# KiCad board CM4ClusterHat.kicad_pcb
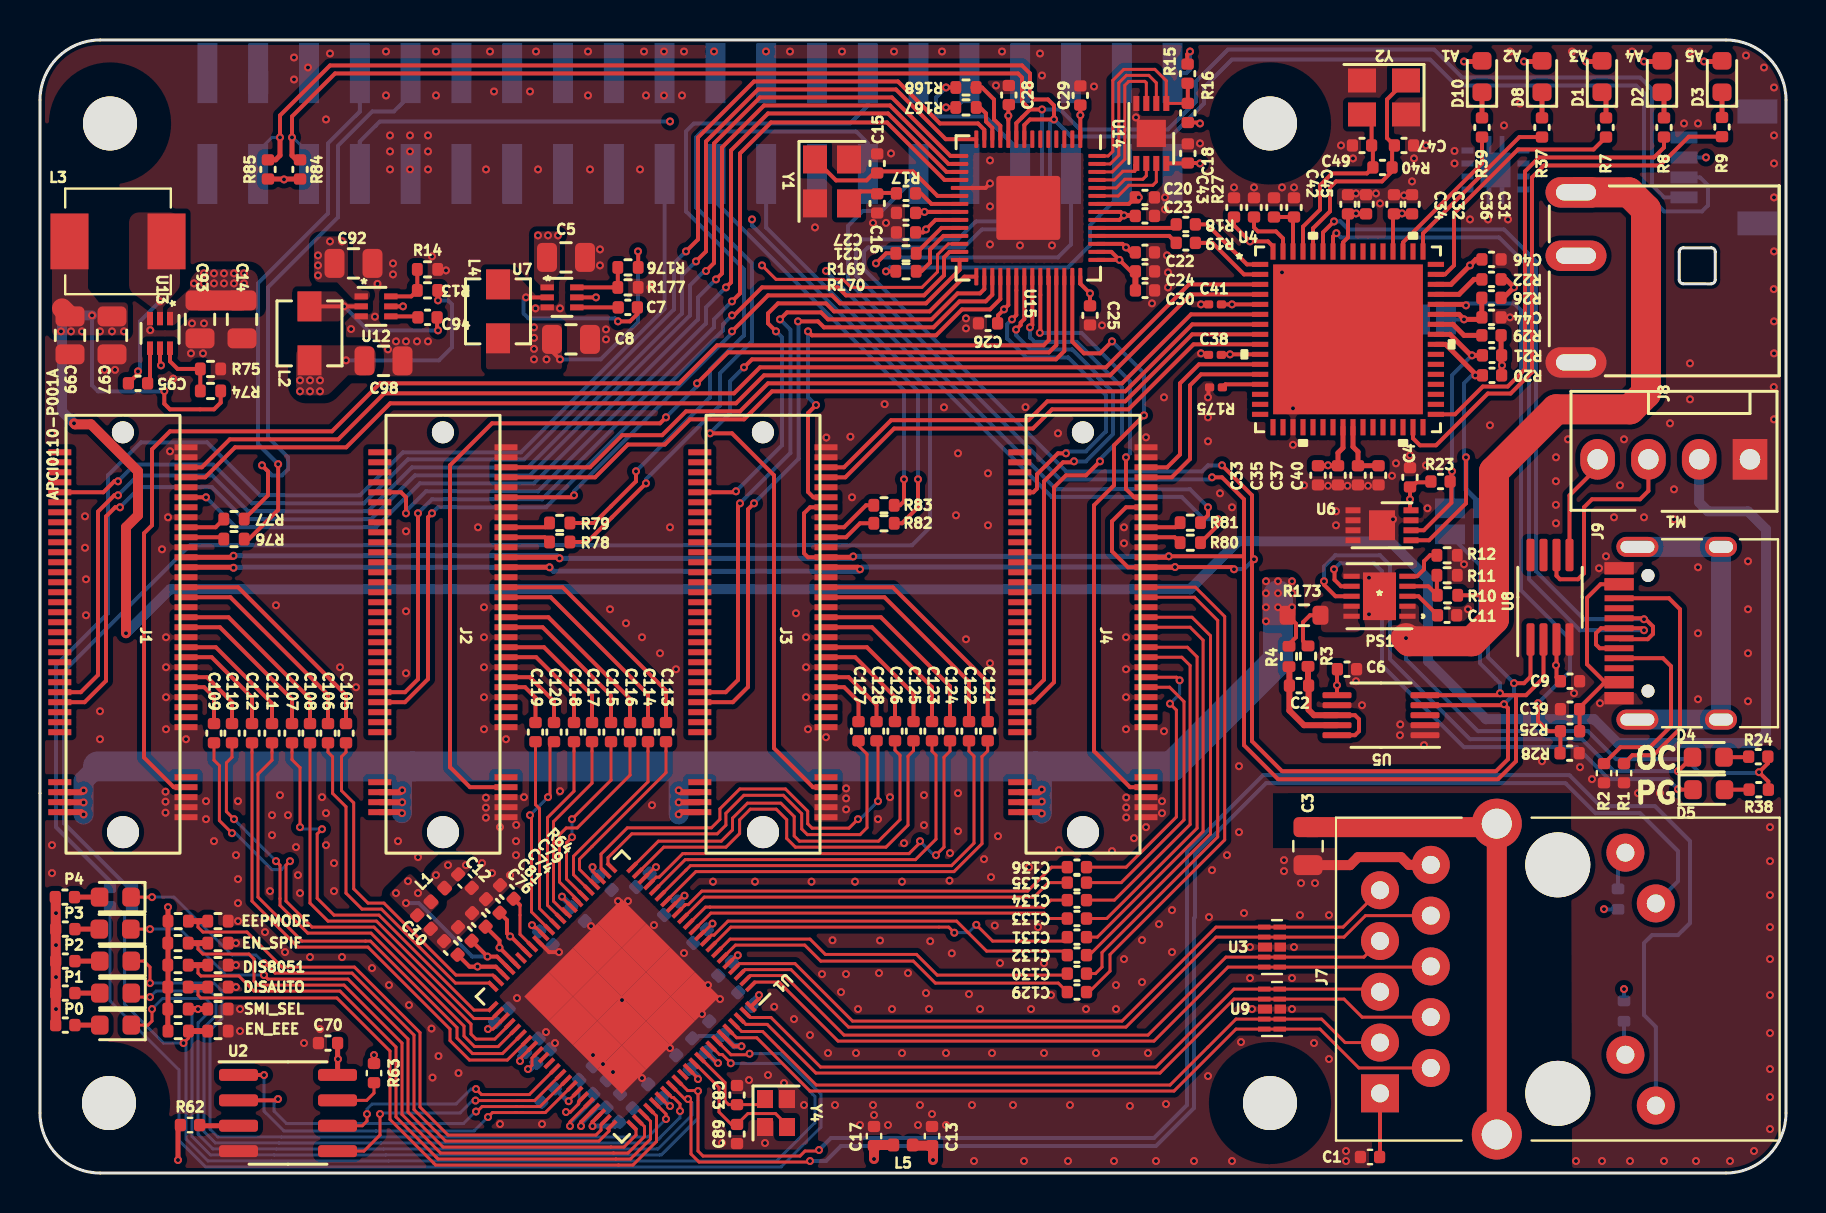
[diagram p0: board, top side]
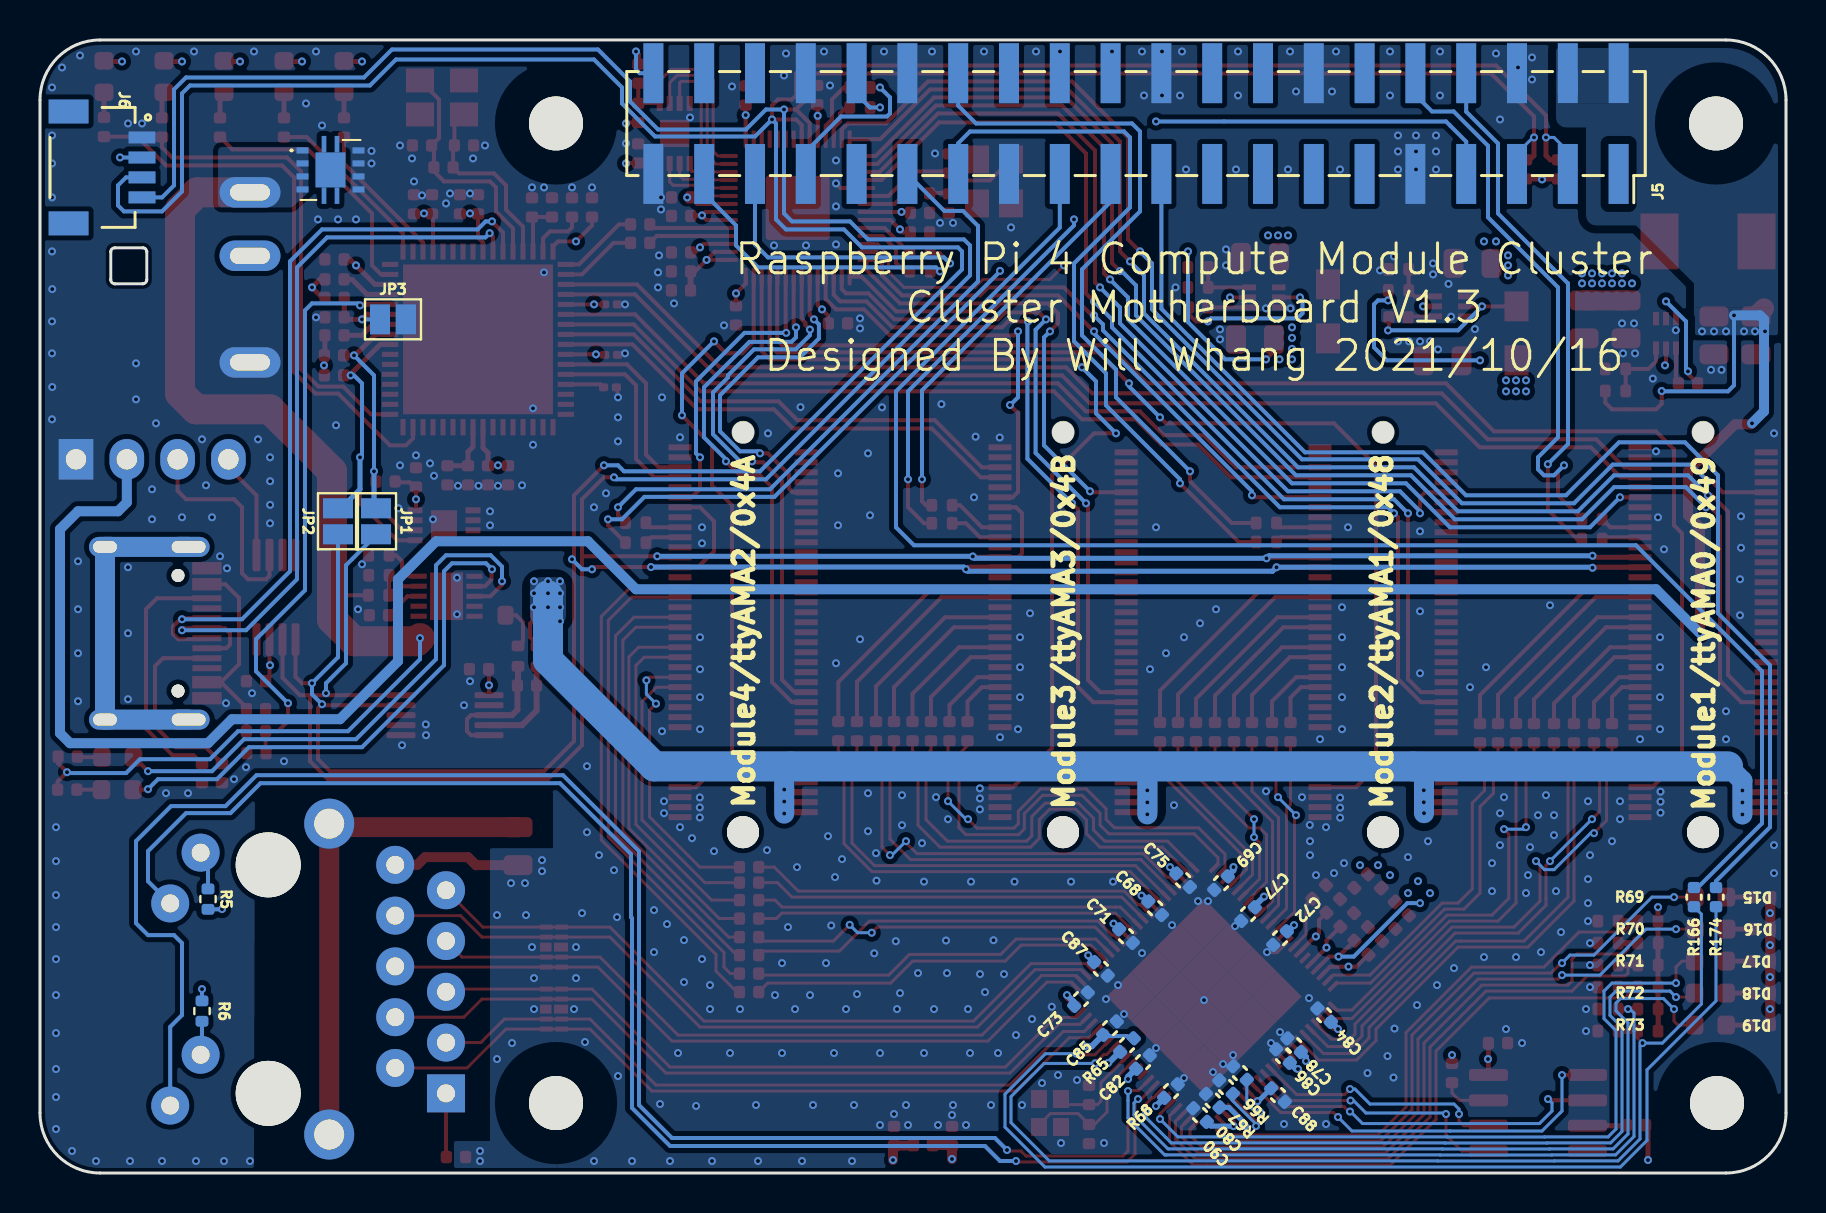
[diagram p1: board, bottom side, seen from below]

Outline 87.3 x 56.67 mm; copper layers: Top, In1.Cu, In2.Cu, Bottom. Coordinates in mm from the lower left corner of the outline.
Outline path: 0,53.67 0,3 arc(0.88,0.88) 3,0 84.3,0 arc(86.42,0.88) 87.3,3 87.3,53.67 arc(86.42,55.8) 84.3,56.67 3,56.67 arc(0.88,55.8) 0,53.67
Stack: Top 0.035mm / dielectric 0.48mm FR4 er 4.5 / In1.Cu 0.035mm / dielectric 0.48mm FR4 er 4.5 / In2.Cu 0.035mm / dielectric 0.48mm FR4 er 4.5 / Bottom 0.035mm

## Placement (name value [footprint] x y rotation side)
C1  100nF  [C_0402_1005Metric]  66.5 0.8 0 top
C2  100nF  [C_0402_1005Metric]  62.95 24.38 0 top
C3  1nF  [C_0805_2012Metric]  63.4 16.35 90 top
C4  100nF  [C_0402_1005Metric]  68.5 34.8 270 top
C5  10uF  [C_0805_2012Metric]  26.3 45.8 0 top
C6  100nF  [C_0402_1005Metric]  65.35 25.2 0 top
C7  100nF  [C_0402_1005Metric]  29.39 43.3 0 top
C8  22uF  [C_0805_2012Metric]  26.55 41.7 0 top
C9  100nF  [C_0402_1005Metric]  76.5 24.6 180 top
C10  100nF  [C_0402_1005Metric]  19.2 12.55 135 top
C11  100nF  [C_0402_1005Metric]  70.35 27.9 0 top
C12  100nF  [C_0402_1005Metric]  21.25 14.6 135 top
C13  100nF  [C_0402_1005Metric]  44.6 1.85 270 top
C14  10uF  [C_0805_2012Metric]  10.1 42.7 270 top
C15  27p  [C_0402_1005Metric]  41.86 50.5 90 top
C16  27p  [C_0402_1005Metric]  41.86 48.5 270 top
C17  100nF  [C_0402_1005Metric]  41.7 1.85 270 top
C18  100n  [C_0402_1005Metric]  57.39 51 90 top
C20  100n  [C_0402_1005Metric]  55.25 48.8 0 top
C21  100n  [C_0402_1005Metric]  43.3 47.05 180 top
C22  1u  [C_0402_1005Metric]  55.25 46.05 0 top
C23  100n  [C_0402_1005Metric]  55.25 47.88 0 top
C24  1u  [C_0402_1005Metric]  55.25 45.1 0 top
C25  100n  [C_0402_1005Metric]  52.5 42.9 270 top
C26  100n  [C_0402_1005Metric]  47.4 42.5 180 top
C27  100n  [C_0402_1005Metric]  43.3 48.02 180 top
C28  100n  [C_0402_1005Metric]  48.44 53.92 90 top
C29  100n  [C_0402_1005Metric]  52.02 53.9 90 top
C30  100n  [C_0402_1005Metric]  55.25 44.15 0 top
C31  100nF  [C_0402_1005Metric]  68.6 48.46 270 top
C32  100nF  [C_0402_1005Metric]  66.3 48.46 270 top
C33  1uF  [C_0402_1005Metric]  63.9 34.9 90 top
C34  100nF  [C_0402_1005Metric]  65.4 48.46 270 top
C35  100nF  [C_0402_1005Metric]  64.9 34.9 90 top
C36  100nF  [C_0402_1005Metric]  67.7 48.46 270 top
C37  1uF  [C_0402_1005Metric]  65.9 34.9 90 top
C38  100nF  [C_0201_0603Metric]  58.74 40.92 0 top
C39  1uF  [C_0402_1005Metric]  76.5 23.2 0 top
C40  100nF  [C_0402_1005Metric]  66.92 34.9 90 top
C41  100nF  [C_0201_0603Metric]  58.75 43.45 0 top
C42  1uF  [C_0402_1005Metric]  61.7 48.3 270 top
C43  100nF  [C_0402_1005Metric]  59.7 48.3 270 top
C44  100nF  [C_0402_1005Metric]  72.58 42.8 180 top
C45  100nF  [C_0402_1005Metric]  62.7 48.3 270 top
C46  100nF  [C_0402_1005Metric]  72.58 45.7 180 top
C47  33pF  [C_0402_1005Metric]  68.2 51.4 180 top
C49  33pF  [C_0402_1005Metric]  66.1 51.4 0 top
C68  100nF  [C_0402_1005Metric]  31.54 13.24 45 bottom
C69  100nF  [C_0402_1005Metric]  28.25 14.5 135 bottom
C70  100nF  [C_0402_1005Metric]  14.4 6.5 0 top
C71  100nF  [C_0402_1005Metric]  33 11.85 45 bottom
C72  100nF  [C_0402_1005Metric]  25.3 11.75 135 bottom
C73  100nF  [C_0402_1005Metric]  35.25 8.7 315 bottom
C74  100nF  [C_0402_1005Metric]  21.94 12.66 315 top
C75  100nF  [C_0402_1005Metric]  30.14 14.64 45 bottom
C76  100nF  [C_0402_1005Metric]  20.54 11.26 315 top
C77  100nF  [C_0402_1005Metric]  26.9 12.95 135 bottom
C78  100nF  [C_0402_1005Metric]  24.59 6.39 225 bottom
C79  100nF  [C_0402_1005Metric]  22.64 13.36 315 top
C80  100nF  [C_0402_1005Metric]  28.66 3.62 225 bottom
C81  100nF  [C_0402_1005Metric]  21.24 11.96 315 top
C82  100nF  [C_0402_1005Metric]  32.15 5.55 315 bottom
C83  16pF  [C_0402_1005Metric]  34.85 3.9 270 top
C84  100nF  [C_0402_1005Metric]  23.09 7.89 225 bottom
C85  100nF  [C_0402_1005Metric]  33.8 7.25 315 bottom
C86  100nF  [C_0402_1005Metric]  25.15 5.85 225 bottom
C87  100nF  [C_0402_1005Metric]  34.25 10.21 45 bottom
C88  100nF  [C_0402_1005Metric]  25.4 3.9 45 bottom
C89  16pF  [C_0402_1005Metric]  34.85 1.95 90 top
C90  100nF  [C_0402_1005Metric]  29.3 2.9 225 bottom
C92  10uF  [C_0805_2012Metric]  15.67 45.5 0 top
C93  10uF  [C_0805_2012Metric]  8 42.7 270 top
C94  100nF  [C_0402_1005Metric]  19.37 42.8 0 top
C95  100nF  [C_0402_1005Metric]  4.9 39.5 180 top
C97  22uF  [C_0805_2012Metric]  3.6 41.9 270 top
C98  22uF  [C_0805_2012Metric]  17.17 40.62 0 top
C99  22uF  [C_0805_2012Metric]  1.5 41.9 270 top
C105  100nF  [C_0402_1005Metric]  15.3 22 270 top
C106  100nF  [C_0402_1005Metric]  14.4 22 270 top
C107  100nF  [C_0402_1005Metric]  12.6 22 270 top
C108  100nF  [C_0402_1005Metric]  13.5 22 270 top
C109  100nF  [C_0402_1005Metric]  8.7 22 270 top
C110  100nF  [C_0402_1005Metric]  9.6 22 270 top
C111  100nF  [C_0402_1005Metric]  11.6 22 270 top
C112  100nF  [C_0402_1005Metric]  10.6 22 270 top
C113  100nF  [C_0402_1005Metric]  31.3 22.05 270 top
C114  100nF  [C_0402_1005Metric]  30.4 22.05 270 top
C115  100nF  [C_0402_1005Metric]  28.55 22.05 270 top
C116  100nF  [C_0402_1005Metric]  29.5 22.05 270 top
C117  100nF  [C_0402_1005Metric]  27.6 22.05 270 top
C118  100nF  [C_0402_1005Metric]  26.7 22.05 270 top
C119  100nF  [C_0402_1005Metric]  24.77 22.05 270 top
C120  100nF  [C_0402_1005Metric]  25.7 22.05 270 top
C121  100nF  [C_0402_1005Metric]  47.38 22.1 270 top
C122  100nF  [C_0402_1005Metric]  46.45 22.1 270 top
C123  100nF  [C_0402_1005Metric]  44.6 22.1 270 top
C124  100nF  [C_0402_1005Metric]  45.5 22.1 270 top
C125  100nF  [C_0402_1005Metric]  43.67 22.1 270 top
C126  100nF  [C_0402_1005Metric]  42.75 22.1 270 top
C127  100nF  [C_0402_1005Metric]  40.92 22.1 270 top
C128  100nF  [C_0402_1005Metric]  41.83 22.1 270 top
C129  100nF  [C_0402_1005Metric]  51.85 9.05 180 top
C130  100nF  [C_0402_1005Metric]  51.85 9.97 180 top
C131  100nF  [C_0402_1005Metric]  51.85 11.8 180 top
C132  100nF  [C_0402_1005Metric]  51.85 10.9 180 top
C133  100nF  [C_0402_1005Metric]  51.84 12.73 180 top
C134  100nF  [C_0402_1005Metric]  51.84 13.65 180 top
C135  100nF  [C_0402_1005Metric]  51.85 14.52 180 top
C136  100nF  [C_0402_1005Metric]  51.85 15.3 180 top
D1  LED  [LED_0603_1608Metric]  78.1 54.84 90 top
D2  LED  [LED_0603_1608Metric]  81.1 54.84 90 top
D3  LED  [LED_0603_1608Metric]  84.1 54.84 90 top
D4  LED  [LED_0603_1608Metric]  83.41 20.8 0 top
D5  LED  [LED_0603_1608Metric]  83.44 19.17 0 top
D8  LED  [LED_0603_1608Metric]  75.1 54.84 90 top
D10  LED  [LED_0603_1608Metric]  72.1 54.84 90 top
D15  LED  [LED_0603_1608Metric]  3.77 13.8 180 top
D16  LED  [LED_0603_1608Metric]  3.75 12.2 180 top
D17  LED  [LED_0603_1608Metric]  3.78 10.6 180 top
D18  LED  [LED_0603_1608Metric]  3.78 9 180 top
D19  LED  [LED_0603_1608Metric]  3.78 7.4 180 top
H1  MountingHole  [M2.5]  3.5 3.5 0 top
H2  MountingHole  [M2.5]  3.55 52.5 0 top
H3  MountingHole  [M2.5]  61.55 3.5 0 top
H4  MountingHole  [M2.5]  61.55 52.5 0 top
IC1  TVS1801DRBR  [TPS73601DRBR]  72.77 50.17 180 bottom
J1  Bus_M.2_Socket_M  [M2_vertical]  -0.2 33.3 270 top
J2  Bus_M.2_Socket_M  [M2_vertical]  15.8 33.3 270 top
J3  Bus_M.2_Socket_M  [M2_vertical]  31.8 33.3 270 top
J4  Bus_M.2_Socket_M  [M2_vertical]  47.8 33.3 270 top
J5  Raspberry_Pi_2_3  [PinSocket_2x20_P2.54mm_Vertical_SMD]  32.5 52.49 270 bottom
J6  QWIIC_CONNECTORJS-1MM  [1X04_1MM_RA]  82.2 50.3 270 bottom
J7  RB1-125B8G1A  [RJ45_UDE_RB1-125B8G1A]  67 3.98 90 top
J8  CONN-POWER-JACK-2.1MM_DC-005_  [DCJ3P-11.6X9.6X7.0MM]  81.15 44.8 90 top
J9  USB_C_Receptacle_USB2.0  [USB_C_Receptacle_HRO_TYPE-C-31-M-12]  83 27 90 top
JP1  SolderJumper_2_Open  [SolderJumper-2_P1.3mm_Open_Pad1.0x1.5mm]  70.5 32.6 270 bottom
JP2  SolderJumper_2_Open  [SolderJumper-2_P1.3mm_Open_Pad1.0x1.5mm]  72.4 32.6 270 bottom
JP3  SolderJumper_2_Open  [SolderJumper-2_P1.3mm_Open_Pad1.0x1.5mm]  69.65 42.7 180 bottom
L1  L  [L_0402_1005Metric]  19.89 13.91 45 top
L2  1.2uH  [L_Vishay_IHLP-1212]  13.47 42 270 top
L3  4.7uH  [L_Vishay_IHLP-2020]  3.9 46.6 180 top
L4  3.3uH  [L_Vishay_IHLP-1212]  22.9 43.1 270 top
L5  L  [L_0402_1005Metric]  43.15 1.4 180 top
M1  Fan_Tacho_PWM  [FanPinHeader_1x04_P2.54mm_Vertical]  85.5 35.7 180 top
PS1  -  [SIP32429DN-T1-GE4]  66.97 28.85 180 top
R1  100K  [C_0402_1005Metric]  79.2 20 90 top
R2  100K  [C_0402_1005Metric]  78.2 20 90 top
R3  10R  [R_0402_1005Metric]  63.4 25.86 90 top
R4  10R  [R_0402_1005Metric]  62.45 25.84 90 top
R5  4.7K  [R_0402_1005Metric]  78.9 13.7 270 bottom
R6  4.7K  [R_0402_1005Metric]  79.2 8.1 90 bottom
R7  1K  [C_0402_1005Metric]  78.3 52.3 90 top
R8  1K  [C_0402_1005Metric]  81.2 52.3 90 top
R9  1K  [C_0402_1005Metric]  84.1 52.32 90 top
R10  30K  [R_0402_1005Metric]  70.37 28.9 180 top
R11  10K  [R_0402_1005Metric]  70.35 29.9 0 top
R12  1.82K  [R_0402_1005Metric]  70.35 30.9 0 top
R13  30K  [R_0402_1005Metric]  19.37 44.15 180 top
R14  82K  [R_0402_1005Metric]  19.37 45.2 0 top
R15  1k  [C_0402_1005Metric]  57.38 54.99 90 top
R16  DNF  [C_0402_1005Metric]  57.39 53.02 90 top
R17  1k  [C_0402_1005Metric]  43.3 49.01 180 top
R18  27  [C_0402_1005Metric]  57.29 47.45 180 top
R19  27  [C_0402_1005Metric]  57.29 46.52 180 top
R20  10K  [C_0402_1005Metric]  72.6 39.9 180 top
R21  10K  [C_0402_1005Metric]  72.6 40.9 180 top
R22  10K  [C_0402_1005Metric]  72.58 44.7 180 top
R23  10K  [C_0402_1005Metric]  70.02 34.59 0 top
R24  4.7K  [C_0402_1005Metric]  85.91 20.83 0 top
R25  100K  [C_0402_1005Metric]  76.5 22.1 180 top
R26  100K  [C_0402_1005Metric]  72.57 43.77 180 top
R27  12K  [C_0402_1005Metric]  60.7 48.3 90 top
R28  100K  [C_0402_1005Metric]  76.48 21 180 top
R29  10K  [C_0402_1005Metric]  72.58 41.9 180 top
R37  1K  [C_0402_1005Metric]  75.1 52.3 90 top
R38  4.7K  [C_0402_1005Metric]  85.94 19.17 0 top
R39  1K  [C_0402_1005Metric]  72.1 52.3 90 top
R40  1M  [C_0402_1005Metric]  67.12 50.3 180 top
R50  4.7K  [R_0402_1005Metric]  6.91 12.6 0 top
R51  DNP  [R_0402_1005Metric]  8.9 12.6 0 top
R52  DNP  [R_0402_1005Metric]  6.9 11.5 0 top
R53  4.7K  [R_0402_1005Metric]  8.9 11.5 0 top
R54  4.7K  [R_0402_1005Metric]  6.9 10.4 0 top
R55  DNP  [R_0402_1005Metric]  8.9 10.4 0 top
R56  4.7K  [R_0402_1005Metric]  6.9 9.3 0 top
R57  DNP  [R_0402_1005Metric]  8.9 9.3 0 top
R58  DNP  [R_0402_1005Metric]  6.9 8.2 0 top
R59  4.7K  [R_0402_1005Metric]  8.9 8.2 0 top
R60  4.7K  [R_0402_1005Metric]  6.91 7.1 0 top
R61  DNP  [R_0402_1005Metric]  8.9 7.1 0 top
R62  10K  [C_0402_1005Metric]  7.5 2.4 180 top
R63  10K  [C_0402_1005Metric]  16.7 5 90 top
R64  2.49K  [C_0402_1005Metric]  23.34 14.06 315 top
R65  10K  [C_0402_1005Metric]  32.95 6.4 315 bottom
R66  1K  [C_0402_1005Metric]  27.3 5 225 bottom
R67  1K  [C_0402_1005Metric]  28 4.3 225 bottom
R68  DNP  [C_0402_1005Metric]  30.75 4.1 315 bottom
R69  4.7K  [C_0402_1005Metric]  1.24 13.8 0 top
R70  4.7K  [C_0402_1005Metric]  1.27 12.2 0 top
R71  4.7K  [C_0402_1005Metric]  1.27 10.6 0 top
R72  4.7K  [C_0402_1005Metric]  1.27 9 0 top
R73  4.7K  [C_0402_1005Metric]  1.27 7.4 0 top
R74  52K  [R_0402_1005Metric]  8.52 39.12 180 top
R75  10K  [R_0402_1005Metric]  8.52 40.22 0 top
R76  100R  [R_0402_1005Metric]  9.7 31.71 180 top
R77  100R  [R_0402_1005Metric]  9.7 32.71 180 top
R78  100R  [R_0402_1005Metric]  25.98 31.56 0 top
R79  100R  [R_0402_1005Metric]  25.98 32.52 0 top
R80  100R  [R_0402_1005Metric]  57.52 31.53 0 top
R81  100R  [R_0402_1005Metric]  57.52 32.53 0 top
R82  100R  [R_0402_1005Metric]  42.2 32.5 0 top
R83  100R  [R_0402_1005Metric]  42.2 33.4 0 top
R84  1k  [C_0402_1005Metric]  13 50.2 90 top
R85  1k  [C_0402_1005Metric]  11.4 50.2 90 top
R166  100R  [C_0402_1005Metric]  4.6 13.8 270 bottom
R167  100R  [R_0402_1005Metric]  46.3 53.3 180 top
R168  100R  [R_0402_1005Metric]  46.3 54.3 180 top
R169  100R  [R_0402_1005Metric]  43.3 46.01 0 top
R170  100R  [R_0402_1005Metric]  43.3 45.11 0 top
R173  0R1  [R_0603_1608Metric]  63.2 27.9 0 top
R174  100R  [C_0402_1005Metric]  3.5 13.8 270 bottom
R175  100K  [C_0201_0603Metric]  58.8 39.3 180 top
R176  30K  [R_0402_1005Metric]  29.4 45.3 180 top
R177  82K  [R_0402_1005Metric]  29.4 44.3 0 top
U1  RTL8367N  [QFN-88_EP_10x10_Pitch0.4mm2]  29.09 8.83 225 top
U2  AT25SF081-SSHD-X  [SOIC-8_3.9x4.9mm_P1.27mm]  12.4 3 0 top
U3  D3V3F4U10LP-7  [Diodes_UDFN-10_1.0x2.5mm_P0.5mm]  61.6 11.3 0 top
U4  -  [USB2517-JZX]  65.4 41.7 0 top
U5  INA226  [VSSOP-10_3x3mm_P0.5mm]  67.05 22.9 180 top
U6  24LC08  [DFN-8-1EP_3x2mm_P0.5mm_EP1.3x1.5mm]  67.1 32.4 0 top
U7  -  [XTPS563202DRLR]  26.1 43.8 0 top
U8  EMC2301  [MSOP-8_3x3mm_P0.65mm]  75.5 28.8 90 top
U9  D3V3F4U10LP-7  [Diodes_UDFN-10_1.0x2.5mm_P0.5mm]  61.6 8.2 0 top
U12  -  [XTPS563202DRLR]  16.8 43.35 0 top
U13  -  [XTPS563202DRLR]  6 42 270 top
U14  W25Q128JVS  [DFN-8-1EP_3x2mm_P0.5mm_EP1.36x1.46mm]  55.57 52 270 top
U15  RP2040  [RP2040-QFN-56]  49.42 48.27 270 top
Y1  Crystal_GND24  [Crystal_SMD_3225-4Pin_3.2x2.5mm]  39.6 49.6 270 top
Y2  24Mhz  [Crystal_SMD_3225-4Pin_3.2x2.5mm]  67.2 53.8 180 top
Y4  25Mhz  [Crystal_SMD_2016-4Pin_2.0x1.6mm]  36.8 3 270 top

## Library data of the parts
IC1 = -: Description: 18-V bidirectional flat-clamp surge protection device; Height: 1; Manufacturer_Name: Texas Instruments; Mouser Part Number: 595-TVS1801DRBR; Mouser Price/Stock: https://www.mouser.co.uk/ProductDetail/Texas-Instruments/TVS1801DRBR?qs=byeeYqUIh0NC2uVJotIEjA%3D%3D
J6 = -: Field4: CONN-13694
J8 = -: MPN: DC-005; SKU: 320120003
PS1 = -: Description: Power Switch ICs - Power Distribution 56mOhm 28volt Smart Load Switch; Height: 1; Manufacturer_Name: Vishay; Mouser Part Number: 78-SIP32429DN-T1-GE4; Mouser Price/Stock: https://www.mouser.co.uk/ProductDetail/Vishay-Siliconix/SIP32429DN-T1-GE4?qs=iMG30BJ9VGh0tbPxfN0iAA%3D%3D
U7 U12 U13 = -: Field4: Designator95

## Footprints (pads in the part's own frame, mm; a bottom-side part is the same pattern mirrored in y, then rotated)
1X04_1MM_RA
  rect 0.599x1.349 smd: 1(-1.499,0) 2(-0.498,0) 3(0.498,0) 4(1.499,0)
  rect 1.199x1.999 smd: NC1(2.799,-3.673) NC2(-2.799,-3.673)
C_0201_0603Metric
  rrect 0.318x0.36 smd: (-0.345,0) (0.345,0)
  rrect 0.46x0.4 smd: 1(-0.32,0) 2(0.32,0)
C_0402_1005Metric
  rrect 0.56x0.62 smd: 1(-0.48,0) 2(0.48,0)
C_0805_2012Metric
  rrect 1x1.45 smd: 1(-0.95,0) 2(0.95,0)
Crystal_SMD_2016-4Pin_2.0x1.6mm
  rect 0.9x0.8 smd: 1(-0.7,-0.55) 2(0.7,-0.55) 3(0.7,0.55) 4(-0.7,0.55)
Crystal_SMD_3225-4Pin_3.2x2.5mm
  rect 1.4x1.2 smd: 1(-1.1,-0.85) 2(1.1,-0.85) 3(1.1,0.85) 4(-1.1,0.85)
DCJ3P-11.6X9.6X7.0MM
  oval 1.524x3.048 hole 0.813x2: 1(4.253,4.35) 2(-4.253,4.35) 3(1.081,4.35)
DFN-8-1EP_3x2mm_P0.5mm_EP1.3x1.5mm
  rect 0.5x0.6 smd: (-0.325,0.375) (-0.325,-0.375) (0.325,0.375) (0.325,-0.375)
  rect 0.75x0.3 smd: 1(-1.45,0.75) 2(-1.45,0.25) 3(-1.45,-0.25) 4(-1.45,-0.75) 5(1.45,-0.75) 6(1.45,-0.25) 7(1.45,0.25) 8(1.45,0.75)
  rect 1.3x1.5 smd: 9(0,0)
DFN-8-1EP_3x2mm_P0.5mm_EP1.36x1.46mm
  rect 0.5x0.6 smd: (-0.325,0.375) (-0.325,-0.375) (0.325,0.375) (0.325,-0.375)
  rect 0.75x0.3 smd: 1(-1.5,0.75) 2(-1.5,0.25) 3(-1.5,-0.25) 4(-1.5,-0.75) 5(1.5,-0.75) 6(1.5,-0.25) 7(1.5,0.25) 8(1.5,0.75)
  rect 1.36x1.46 smd: 4(0,0)
Diodes_UDFN-10_1.0x2.5mm_P0.5mm
  rect 0.625x0.25 smd: 1(-0.388,1) 2(-0.388,0.5) 4(-0.388,-0.5) 5(-0.388,-1) 6(0.388,-1) 7(0.388,-0.5) 9(0.388,0.5) 10(0.388,1)
  rect 0.7x0.45 smd: 3(-0.35,0)
  rect 0.575x0.45 smd: 8(0.412,0)
FanPinHeader_1x04_P2.54mm_Vertical
  rect 1.73x2.03 hole 1.02: 1(0,0)
  oval 1.73x2.03 hole 1.02: 2(2.54,0) 3(5.08,0) 4(7.62,0)
L_0402_1005Metric
  rrect 0.59x0.64 smd: 1(-0.485,0) 2(0.485,0)
L_Vishay_IHLP-1212
  rect 1.5x1.2 smd: 1(-1.35,0) 2(1.35,0)
L_Vishay_IHLP-2020
  rect 1.903x2.79 smd: 1(-2.426,0) 2(2.426,0)
LED_0603_1608Metric
  rrect 0.875x0.95 smd: 1(-0.787,0) 2(0.787,0)
M2.5
  round 2.7 hole 2.7 unplated: (-0.05,0)
M2_vertical
  round 1.15 hole 1.1 unplated: (-3.75,4.345)
  round 1.6 hole 1.6 unplated: (16.25,4.35)
  rect 0.3x1.15 smd: 1(-3,7.5) 2(-2.75,1.19) 3(-2.5,7.5) 4(-2.25,1.19) 5(-2,7.5) 6(-1.75,1.19) 7(-1.5,7.5) 8(-1.25,1.19) 9(-1,7.5) 10(-0.75,1.19) 11(-0.5,7.5) 12(-0.25,1.19) 13(0,7.5) 14(0.25,1.19) 15(0.5,7.5) 16(0.75,1.19) 17(1,7.5) 18(1.25,1.19) 19(1.5,7.5) 20(1.75,1.19) 21(2,7.5) 22(2.25,1.19) 23(2.5,7.5) 24(2.75,1.19) 25(3,7.5) 26(3.25,1.19) 27(3.5,7.5) 28(3.75,1.19) 29(4,7.5) 30(4.25,1.19) 31(4.5,7.5) 32(4.75,1.19) 33(5,7.5) 34(5.25,1.19) 35(5.5,7.5) 36(5.75,1.19) 37(6,7.5) 38(6.25,1.19) 39(6.5,7.5) 40(6.75,1.19) 41(7,7.5) 42(7.25,1.19) 43(7.5,7.5) 44(7.75,1.19) 45(8,7.5) 46(8.25,1.19) 47(8.5,7.5) 48(8.75,1.19) 49(9,7.5) 50(9.25,1.19) 51(9.5,7.5) 52(9.75,1.19) 53(10,7.5) 54(10.25,1.19) 55(10.5,7.5) 56(10.75,1.19) 57(11,7.5) 58(11.25,1.19) 67(13.5,7.5) 68(13.75,1.19) 69(14,7.5) 70(14.25,1.19) 71(14.5,7.5) 72(14.75,1.19) 73(15,7.5) 74(15.25,1.19) 75(15.5,7.5)
MSOP-8_3x3mm_P0.65mm
  rrect 1.625x0.4 smd: 1(-2.112,0.975) 2(-2.112,0.325) 3(-2.112,-0.325) 4(-2.112,-0.975) 5(2.112,-0.975) 6(2.112,-0.325) 7(2.112,0.325) 8(2.112,0.975)
PinSocket_2x20_P2.54mm_Vertical_SMD
  rect 3x1 smd: 1(2.52,24.13) 2(-2.52,24.13) 3(2.52,21.59) 4(-2.52,21.59) 5(2.52,19.05) 6(-2.52,19.05) 7(2.52,16.51) 8(-2.52,16.51) 9(2.52,13.97) 10(-2.52,13.97) 11(2.52,11.43) 12(-2.52,11.43) 13(2.52,8.89) 14(-2.52,8.89) 15(2.52,6.35) 16(-2.52,6.35) 17(2.52,3.81) 18(-2.52,3.81) 19(2.52,1.27) 20(-2.52,1.27) 21(2.52,-1.27) 22(-2.52,-1.27) 23(2.52,-3.81) 24(-2.52,-3.81) 25(2.52,-6.35) 26(-2.52,-6.35) 27(2.52,-8.89) 28(-2.52,-8.89) 29(2.52,-11.43) 30(-2.52,-11.43) 31(2.52,-13.97) 32(-2.52,-13.97) 33(2.52,-16.51) 34(-2.52,-16.51) 35(2.52,-19.05) 36(-2.52,-19.05) 37(2.52,-21.59) 38(-2.52,-21.59) 39(2.52,-24.13) 40(-2.52,-24.13)
QFN-88_EP_10x10_Pitch0.4mm2
  rect 0.65x0.2 smd: 1(-4.925,4.2) 2(-4.925,3.8) 3(-4.925,3.4) 4(-4.925,3) 5(-4.925,2.6) 6(-4.925,2.2) 7(-4.925,1.8) 8(-4.925,1.4) 9(-4.925,1) 10(-4.925,0.6) 11(-4.925,0.2) 12(-4.925,-0.2) 13(-4.925,-0.6) 14(-4.925,-1) 15(-4.925,-1.4) 16(-4.925,-1.8) 17(-4.925,-2.2) 18(-4.925,-2.6) 19(-4.925,-3) 20(-4.925,-3.4) 21(-4.925,-3.8) 22(-4.925,-4.2) 45(4.925,-4.2) 46(4.925,-3.8) 47(4.925,-3.4) 48(4.925,-3) 49(4.925,-2.6) 50(4.925,-2.2) 51(4.925,-1.8) 52(4.925,-1.4) 53(4.925,-1) 54(4.925,-0.6) 55(4.925,-0.2) 56(4.925,0.2) 57(4.925,0.6) 58(4.925,1) 59(4.925,1.4) 60(4.925,1.8) 61(4.925,2.2) 62(4.925,2.6) 63(4.925,3) 64(4.925,3.4) 65(4.925,3.8) 66(4.925,4.2)
  rect 0.2x0.65 smd: 23(-4.2,-4.925) 24(-3.8,-4.925) 25(-3.4,-4.925) 26(-3,-4.925) 27(-2.6,-4.925) 28(-2.2,-4.925) 29(-1.8,-4.925) 30(-1.4,-4.925) 31(-1,-4.925) 32(-0.6,-4.925) 33(-0.2,-4.925) 34(0.2,-4.925) 35(0.6,-4.925) 36(1,-4.925) 37(1.4,-4.925) 38(1.8,-4.925) 39(2.2,-4.925) 40(2.6,-4.925) 41(3,-4.925) 42(3.4,-4.925) 43(3.8,-4.925) 44(4.2,-4.925) 67(4.2,4.925) 68(3.8,4.925) 69(3.4,4.925) 70(3,4.925) 71(2.6,4.925) 72(2.2,4.925) 73(1.8,4.925) 74(1.4,4.925) 75(1,4.925) 76(0.6,4.925) 77(0.2,4.925) 78(-0.2,4.925) 79(-0.6,4.925) 80(-1,4.925) 81(-1.4,4.925) 82(-1.8,4.925) 83(-2.2,4.925) 84(-2.6,4.925) 85(-3,4.925) 86(-3.4,4.925) 87(-3.8,4.925) 88(-4.2,4.925)
  rect 1.725x1.725 smd: 89(-2.587,2.587) 89(-2.587,0.863) 89(-2.587,-0.863) 89(-2.587,-2.587) 89(-0.863,2.587) 89(-0.863,0.863) 89(-0.863,-0.863) 89(-0.863,-2.587) 89(0.863,2.587) 89(0.863,0.863) 89(0.863,-0.863) 89(0.863,-2.587) 89(2.587,2.587) 89(2.587,0.863) 89(2.587,-0.863) 89(2.587,-2.587)
R_0402_1005Metric
  rrect 0.54x0.64 smd: 1(-0.51,0) 2(0.51,0)
R_0603_1608Metric
  rrect 0.8x0.95 smd: 1(-0.825,0) 2(0.825,0)
RJ45_UDE_RB1-125B8G1A
  round 3.25 hole 3.25 unplated: (0,-8.89) (11.43,-8.89)
  round 1.9 hole 0.9: L1(12.04,-12.27) L2(9.5,-13.79) L3(1.93,-12.27) L4(-0.61,-13.79) R2(1.27,-2.54) R3(2.54,0) R4(3.81,-2.54) R5(5.08,0) R6(6.35,-2.54) R7(7.62,0) R8(8.89,-2.54) R9(10.16,0) R10(11.43,-2.54)
  rect 1.9x1.9 hole 0.9: R1(0,0)
  round 2.5 hole 1.5: SH(-2.06,-5.84) SH(13.49,-5.84)
RP2040-QFN-56
  rrect 1.084x1.084 smd: (-0.637,0.637) (-0.637,-0.637) (0.637,0.637) (0.637,-0.637)
  rrect 0.875x0.2 smd: 1(-3.438,2.6) 2(-3.438,2.2) 3(-3.438,1.8) 4(-3.438,1.4) 5(-3.438,1) 6(-3.438,0.6) 7(-3.438,0.2) 8(-3.438,-0.2) 9(-3.438,-0.6) 10(-3.438,-1) 11(-3.438,-1.4) 12(-3.438,-1.8) 13(-3.438,-2.2) 14(-3.438,-2.6) 29(3.438,-2.6) 30(3.438,-2.2) 31(3.438,-1.8) 32(3.438,-1.4) 33(3.438,-1) 34(3.438,-0.6) 35(3.438,-0.2) 36(3.438,0.2) 37(3.438,0.6) 38(3.438,1) 39(3.438,1.4) 40(3.438,1.8) 41(3.438,2.2) 42(3.438,2.6)
  rrect 0.2x0.875 smd: 15(-2.6,-3.438) 16(-2.2,-3.438) 17(-1.8,-3.438) 18(-1.4,-3.438) 19(-1,-3.438) 20(-0.6,-3.438) 21(-0.2,-3.438) 22(0.2,-3.438) 23(0.6,-3.438) 24(1,-3.438) 25(1.4,-3.438) 26(1.8,-3.438) 27(2.2,-3.438) 28(2.6,-3.438) 43(2.6,3.438) 44(2.2,3.438) 45(1.8,3.438) 46(1.4,3.438) 47(1,3.438) 48(0.6,3.438) 49(0.2,3.438) 50(-0.2,3.438) 51(-0.6,3.438) 52(-1,3.438) 53(-1.4,3.438) 54(-1.8,3.438) 55(-2.2,3.438) 56(-2.6,3.438)
  rrect 3.2x3.2 smd: 57(0,0)
SIP32429DN-T1-GE4
  rect 0.813x0.254 smd: 1(-1.397,1) 2(-1.397,0.5) 3(-1.397,0) 4(-1.397,-0.5) 5(-1.397,-1) 6(1.397,-1) 7(1.397,-0.5) 8(1.397,0) 9(1.397,0.5) 10(1.397,1)
  rect 1.651x2.388 smd: 11(0,0)
SOIC-8_3.9x4.9mm_P1.27mm
  rrect 1.95x0.6 smd: 1(-2.475,1.905) 2(-2.475,0.635) 3(-2.475,-0.635) 4(-2.475,-1.905) 5(2.475,-1.905) 6(2.475,-0.635) 7(2.475,0.635) 8(2.475,1.905)
SolderJumper-2_P1.3mm_Open_Pad1.0x1.5mm
  rect 1x1.5 smd: 1(-0.65,0) 2(0.65,0)